# Altium PCB Yun75.PcbDoc (part 1 of 3)
Units mm, origin at the board's own origin, x right, y up, seen from the top; angles counter-clockwise.
Board outline 323.85 x 152.5 mm, 2 copper layers (Top Layer, Bottom Layer); 403 components, 242 nets, 1450 pads, 87 vias.
Unrouted connection lines stored in the file: 215.
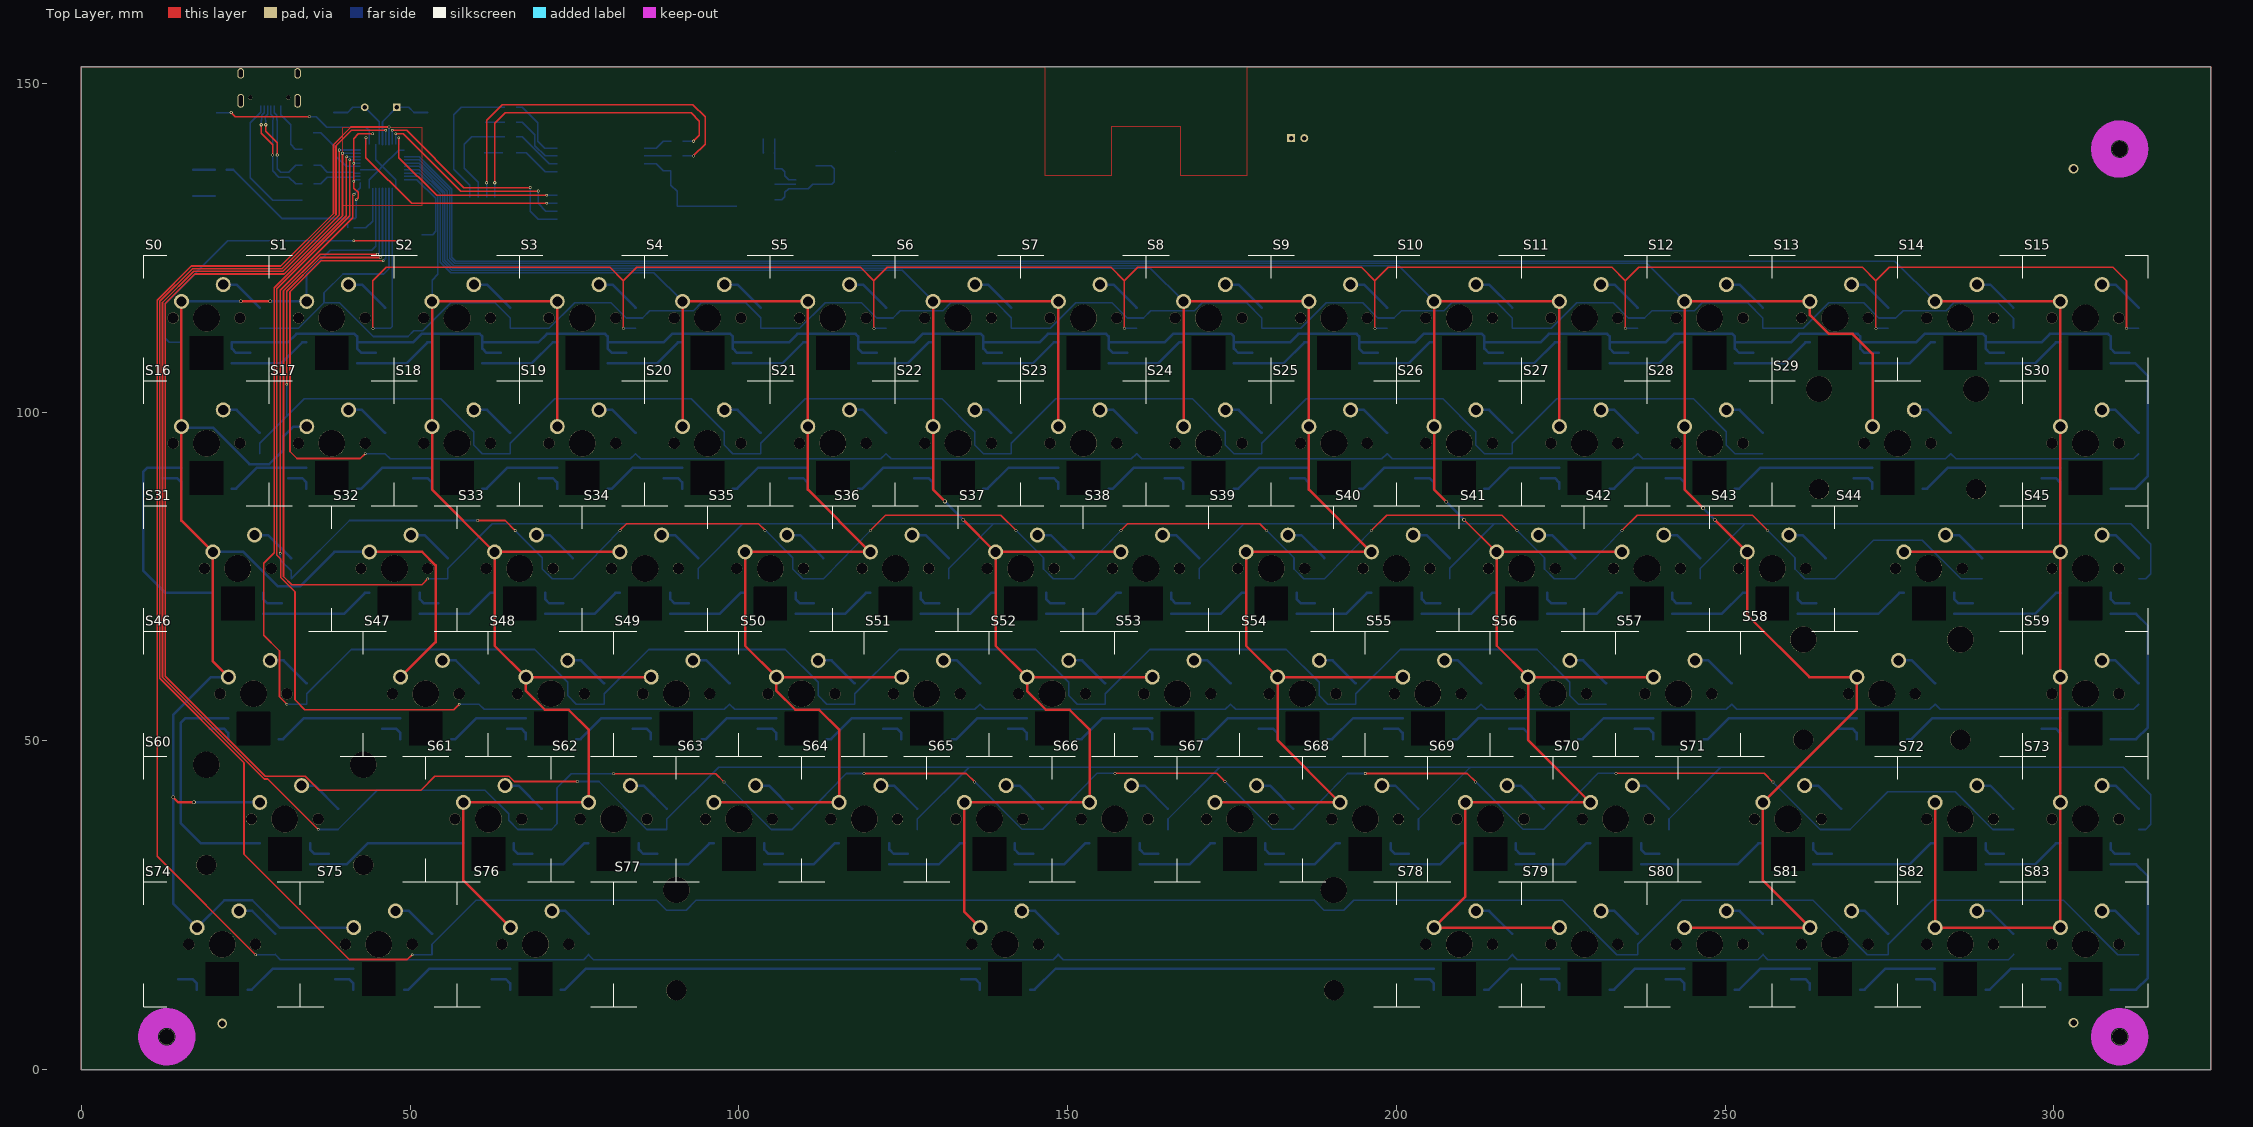
[diagram p0: Top Layer view]
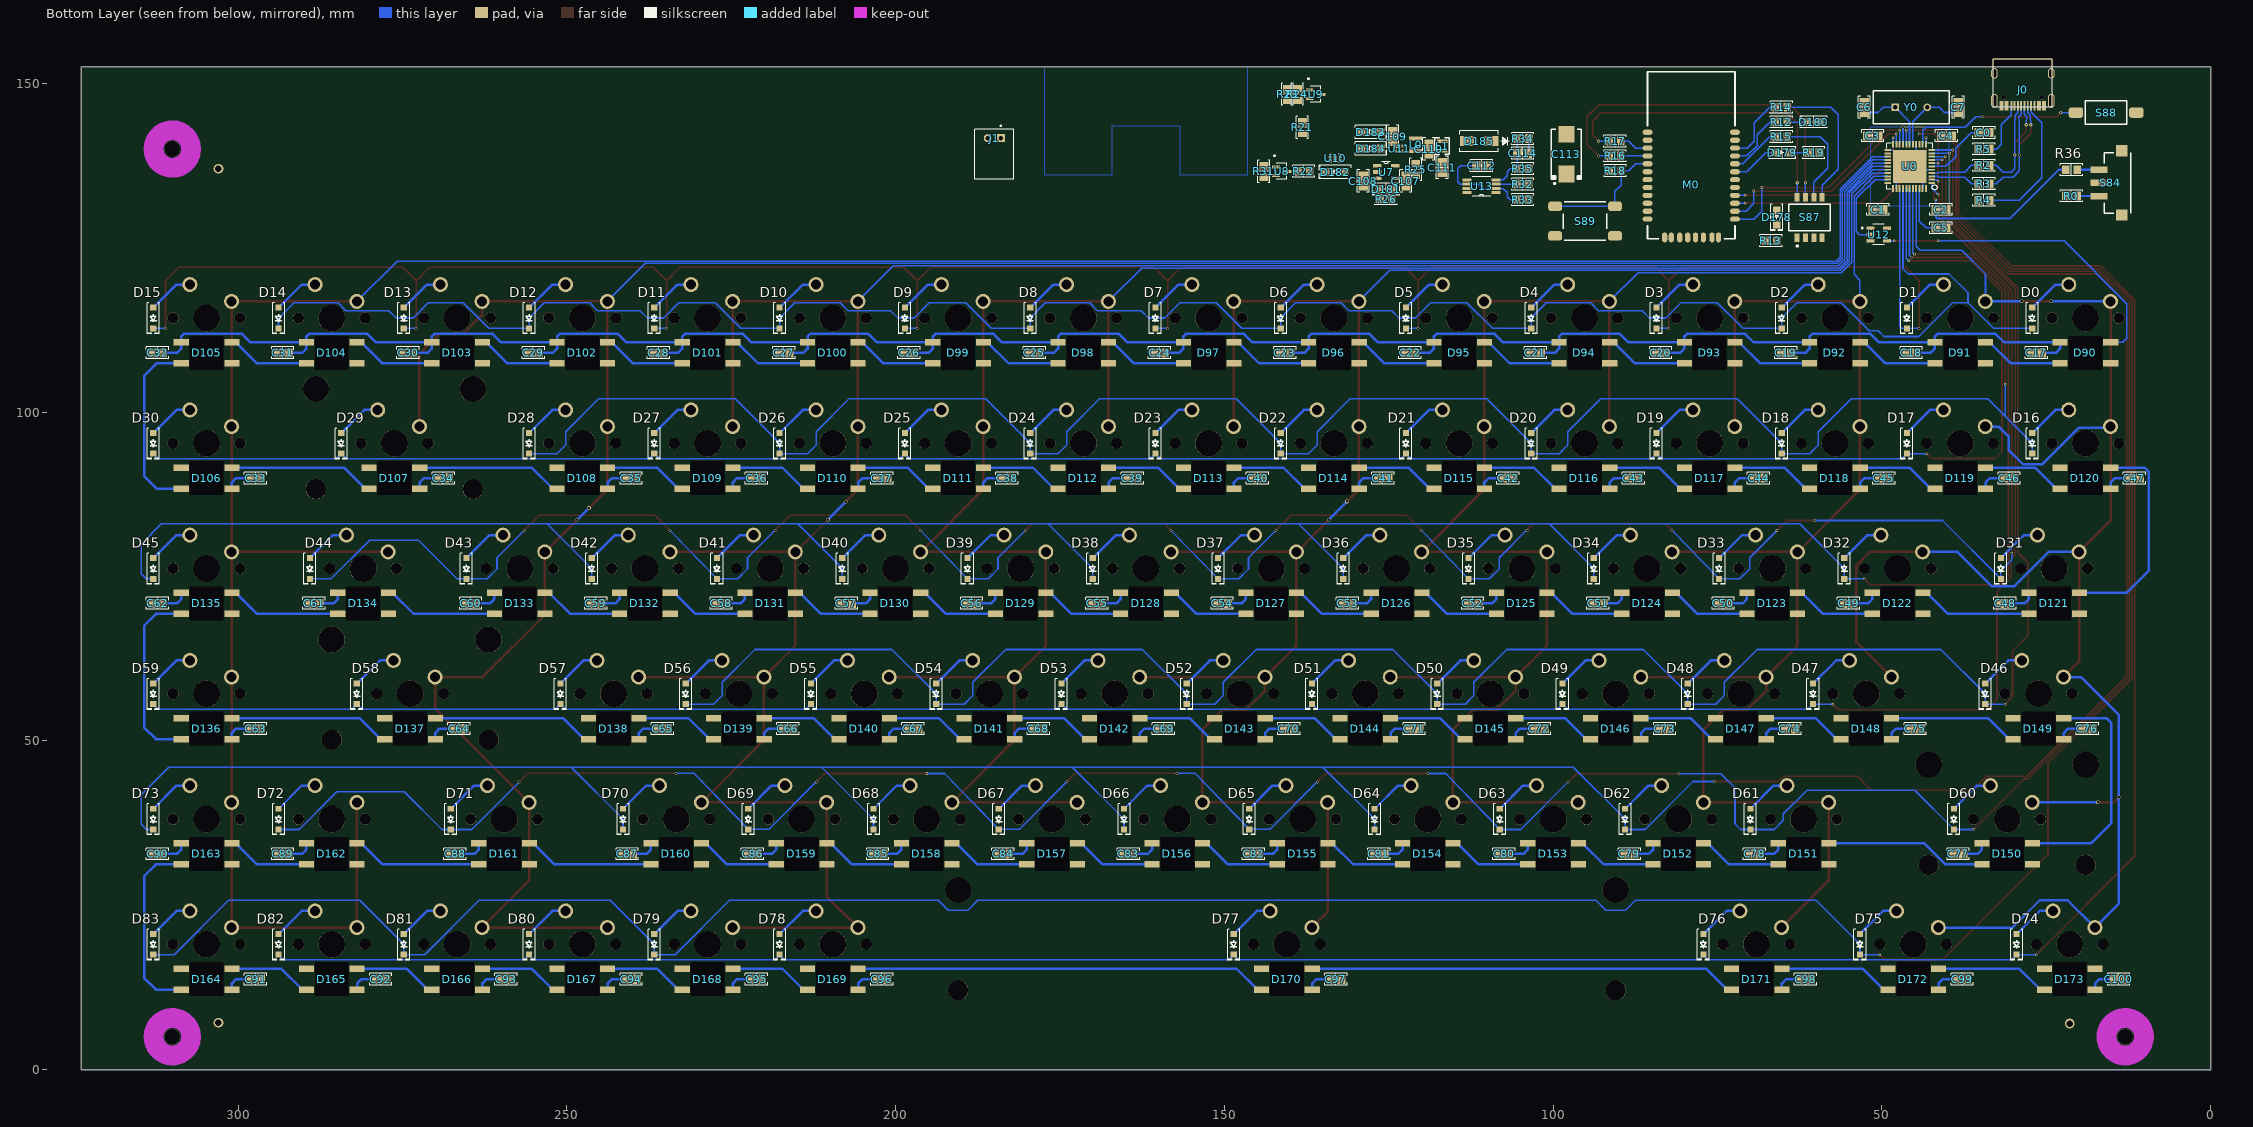
[diagram p1: Bottom Layer view, seen from below]
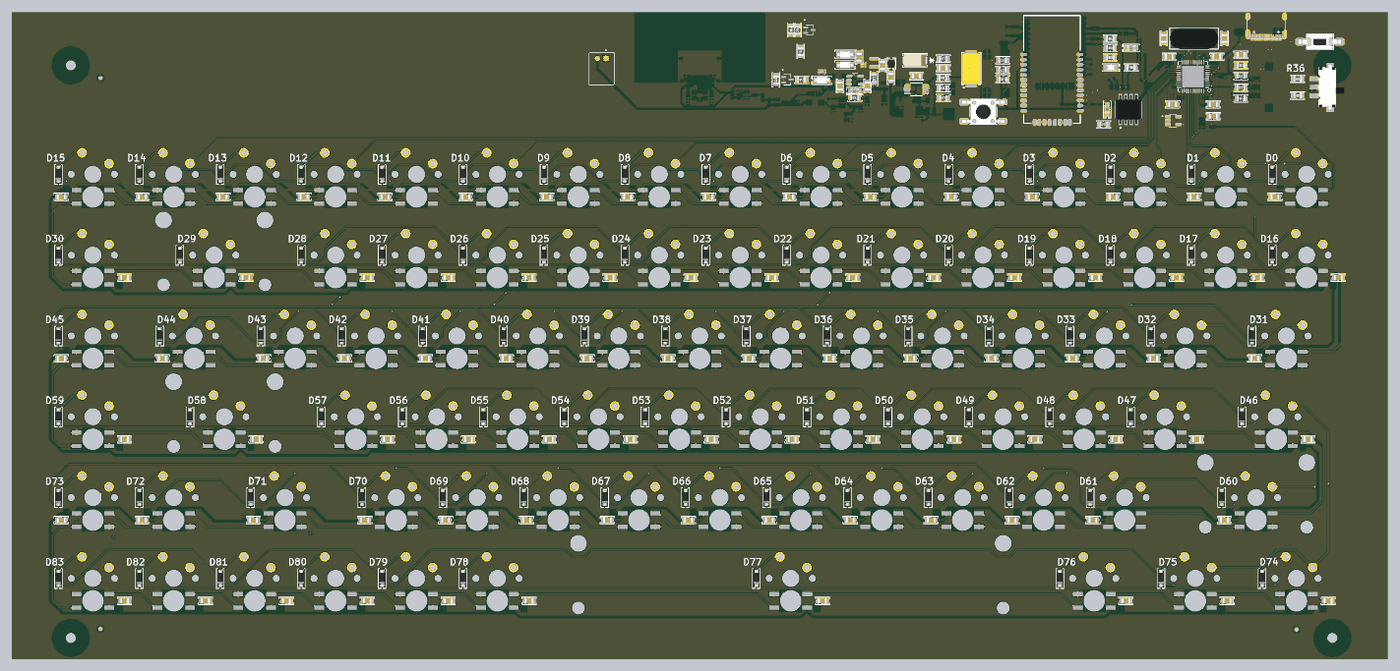
[diagram p4: 3D render of the assembled board from below, using the file's embedded part models]

## Layer stack, top to bottom
Top Solder: solder mask 0.0102, Solder Resist, Dk 3.5
Top Layer: signal copper 0.0356
Dielectric 1: dielectric 0.32, FR-4, Dk 4.8
Bottom Layer: signal copper 0.0356
Bottom Solder: solder mask 0.0102, Solder Resist, Dk 3.5

## Board outline
0,0 0,152.5 146.5,152.5 167.1,152.5 177.35,152.5 323.85,152.5 323.85,0

## Design rules (kind name [scope] priority, off if disabled: settings)
Clearance [All] p1: gap=0.15 ignorepadtopadclearanceinfootprint=FALSE except(0: Arc-Hole Track-Hole SMDPad-Hole THPad-Hole Via-Hole Fill-Hole Poly-Hole Region-Hole Text-Hole)
ComponentClearance [All] p1: gap=0.203 collisioncheckmode=3 verticalgap=0.203 showdistances=FALSE
DiffPairsRouting "Schematic Differential Pairs Routing_3" [InNet('MCUD_N')] p1: maxlimit=1 minlimit=0.297 mostfreqgap=0.508 toplayer_minwidth=0.152 toplayer_maxwidth=1 toplayer_prefwidth=0.203 bottomlayer_minwidth=0.152 bottomlayer_maxwidth=1 bottomlayer_prefwidth=0.203 maxuncoupledlength=12.7
DiffPairsRouting "Schematic Differential Pairs Routing_2" [InNet('MCUD_P')] p2: maxlimit=1 minlimit=0.297 mostfreqgap=0.508 toplayer_minwidth=0.152 toplayer_maxwidth=0.381 toplayer_prefwidth=0.203 bottomlayer_minwidth=0.152 bottomlayer_maxwidth=0.381 bottomlayer_prefwidth=0.203 maxuncoupledlength=12.7
DiffPairsRouting "Schematic Differential Pairs Routing_1" [InNet('D_P')] p3: maxlimit=1 minlimit=0.297 mostfreqgap=0.508 toplayer_minwidth=0.152 toplayer_maxwidth=0.381 toplayer_prefwidth=0.203 bottomlayer_minwidth=0.152 bottomlayer_maxwidth=0.381 bottomlayer_prefwidth=0.203 maxuncoupledlength=12.7
DiffPairsRouting "Schematic Differential Pairs Routing" [InNet('D_N')] p4: maxlimit=1 minlimit=0.297 mostfreqgap=0.508 toplayer_minwidth=0.152 toplayer_maxwidth=0.381 toplayer_prefwidth=0.203 bottomlayer_minwidth=0.152 bottomlayer_maxwidth=0.381 bottomlayer_prefwidth=0.203 maxuncoupledlength=12.7
DiffPairsRouting [All] p5: maxlimit=1.5 minlimit=0.5 mostfreqgap=0.508 toplayer_minwidth=0.15 toplayer_maxwidth=3 toplayer_prefwidth=0.203 bottomlayer_minwidth=0.15 bottomlayer_maxwidth=3 bottomlayer_prefwidth=0.203 maxuncoupledlength=12.7
HoleSize [All] p1: absolutevalues=TRUE maxlimit=10 minlimit=0.2 maxpercent=80.000 minpercent=20.000
MinimumSolderMaskSliver [All] p1: minsoldermaskwidth=0.051
PolygonConnect [All] p1: connectstyle=Relief reliefconductorwidth=0.254 reliefentries=4 polygonreliefangle="90 Angle" airgapwidth=0.254
RoomDefinition Matrix [False] p1: confinementstyle=ConfineIn formatcopy=TRUE lockcomponents=FALSE outline 9.25,124 314.75,124 314.75,9.25 9.25,9.25
RoutingVias [All] p1: holewidth=0.254 width=0.508 viastyle="Through Hole" minholewidth=0.2 minwidth=0.3 maxholewidth=10 maxwidth=13
SilkToSilkClearance [All] p1: silktosilkclearance=0
SilkToSolderMaskClearance [IsPad] p1: minsilkscreentomaskgap=0.051 clearancetoexposedcopper=TRUE
SolderMaskExpansion [All] p1: expansion=0.102 istentingtop=FALSE
Width Width_Matrix [WithinRoom('Matrix')] p1: maxlimit=3 minlimit=0.15 preferedwidth=0.381 minimp=50.000000 maximp=50.000000 favimp=50.000000
Width [All] p2: maxlimit=3 minlimit=0.15 preferedwidth=0.203 minimp=50.000000 maximp=50.000000 favimp=50.000000
24 further rules are at their usual default settings.

## Classes and differential pairs
net class Y0_Nets: NetC6_2 NetC7_2
net class U13_Nets: GND NetC112_2 NetC114_1 NetD185_2 NetR32_2 VDD
net class U12_Nets: GND NetD90_4 RGB VDD
net class U11_Nets: Boost_In GND NetC109_1 NetC109_2 NetL0_1
net class U10_Nets: GND NetD184_1 NetR22_2 VBAT
net class U9_Nets: GND NetR21_1 NetR23_1
net class U8_Nets: NetR21_2 NetR22_2 VBAT
net class U7_Nets: GND NetC108_2 NetR25_2 VUSB
net class U0_Nets: Col0 Col1 Col2 Col3 Col4 Col5 Col6 Col7 CTS GND MCUD_N MCUD_P NetC0_2 NetC5_2 NetC6_2 NetC7_2 NetS84_2 NetS88_2 RGB Row0 Row1 Row2 Row3 Row4 Row5 Row6 Row7 Row8 Row9 Row10 Row11 RTS RXD TXD VDD
net class S89_Nets: GND NetM0_5
net class S88_Nets: GND NetS88_2
net class S87_Nets: NetR14_2 NetR15_2 NetR16_2 NetR17_2 VDD
net class S84_Nets: NetR0_2 NetR36_2 NetS84_2
net class S83_Nets: Col7 NetD83_1
net class S82_Nets: Col7 NetD82_1
net class S81_Nets: Col6 NetD81_1
net class S80_Nets: Col6 NetD80_1
net class S79_Nets: Col5 NetD79_1
net class S78_Nets: Col5 NetD78_1
net class S77_Nets: Col3 NetD77_1
net class S76_Nets: Col1 NetD76_1
net class S75_Nets: Col0 NetD75_1
net class S74_Nets: Col0 NetD74_1
net class S73_Nets: Col7 NetD73_1
net class S72_Nets: Col7 NetD72_1
net class S71_Nets: Col6 NetD71_1
net class S70_Nets: Col5 NetD70_1
net class S69_Nets: Col5 NetD69_1
net class S68_Nets: Col4 NetD68_1
net class S67_Nets: Col4 NetD67_1
net class S66_Nets: Col3 NetD66_1
net class S65_Nets: Col3 NetD65_1
net class S64_Nets: Col2 NetD64_1
net class S63_Nets: Col2 NetD63_1
net class S62_Nets: Col1 NetD62_1
net class S61_Nets: Col1 NetD61_1
net class S60_Nets: Col0 NetD60_1
net class S59_Nets: Col7 NetD59_1
net class S58_Nets: Col6 NetD58_1
net class S57_Nets: Col5 NetD57_1
net class S56_Nets: Col5 NetD56_1
net class S55_Nets: Col4 NetD55_1
net class S54_Nets: Col4 NetD54_1
net class S53_Nets: Col3 NetD53_1
net class S52_Nets: Col3 NetD52_1
net class S51_Nets: Col2 NetD51_1
net class S50_Nets: Col2 NetD50_1
net class S49_Nets: Col1 NetD49_1
net class S48_Nets: Col1 NetD48_1
net class S47_Nets: Col0 NetD47_1
net class S46_Nets: Col0 NetD46_1
net class S45_Nets: Col7 NetD45_1
net class S44_Nets: Col7 NetD44_1
net class S43_Nets: Col6 NetD43_1
net class S42_Nets: Col5 NetD42_1
net class S41_Nets: Col5 NetD41_1
net class S40_Nets: Col4 NetD40_1
net class S39_Nets: Col4 NetD39_1
net class S38_Nets: Col3 NetD38_1
net class S37_Nets: Col3 NetD37_1
net class S36_Nets: Col2 NetD36_1
net class S35_Nets: Col2 NetD35_1
net class S34_Nets: Col1 NetD34_1
net class S33_Nets: Col1 NetD33_1
net class S32_Nets: Col0 NetD32_1
net class S31_Nets: Col0 NetD31_1
net class S30_Nets: Col7 NetD30_1
net class S29_Nets: Col6 NetD29_1
net class S28_Nets: Col6 NetD28_1
net class S27_Nets: Col5 NetD27_1
net class S26_Nets: Col5 NetD26_1
net class S25_Nets: Col4 NetD25_1
net class S24_Nets: Col4 NetD24_1
net class S23_Nets: Col3 NetD23_1
net class S22_Nets: Col3 NetD22_1
net class S21_Nets: Col2 NetD21_1
net class S20_Nets: Col2 NetD20_1
net class S19_Nets: Col1 NetD19_1
net class S18_Nets: Col1 NetD18_1
net class S16_Nets: Col0 NetD16_1
net class S17_Nets: Col0 NetD17_1
net class S15_Nets: Col7 NetD15_1
net class S14_Nets: Col7 NetD14_1
net class S13_Nets: Col6 NetD13_1
net class S12_Nets: Col6 NetD12_1
net class S11_Nets: Col5 NetD11_1
net class S10_Nets: Col5 NetD10_1
net class S9_Nets: Col4 NetD9_1
net class S8_Nets: Col4 NetD8_1
net class S7_Nets: Col3 NetD7_1
net class S6_Nets: Col3 NetD6_1
net class S5_Nets: Col2 NetD5_1
net class S4_Nets: Col2 NetD4_1
net class S3_Nets: Col1 NetD3_1
net class S2_Nets: Col1 NetD2_1
net class S1_Nets: Col0 NetD1_1
net class S0_Nets: Col0 NetD0_1
net class R36_Nets: NetR36_2 VDD
net class R35_Nets: GND NetC114_1
net class R34_Nets: NetC114_1 VDD
net class R33_Nets: NetC112_2 VDD
net class R32_Nets: NetC112_2 NetR32_2
net class R31_Nets: NetR21_2 VBAT
net class R26_Nets: GND NetD181_2
net class R25_Nets: GND NetR25_2
net class R24_Nets: GND NetR23_1
net class R23_Nets: NetR23_1 VUSB
net class R22_Nets: GND NetR22_2
net class R21_Nets: NetR21_1 NetR21_2
net class R19_Nets: GND NetD179_2
net class R18_Nets: NetM0_5 VDD
net class R17_Nets: NetR17_2 PIO6
net class R16_Nets: NetR16_2 PIO7
net class R15_Nets: NetR15_2 PIO3
net class R14_Nets: NetR14_2 PIO4
net class R13_Nets: NetD178_2 PIO8
net class R12_Nets: NetD180_2 PIO5
net class R5_Nets: GND NetJ0_9
net class R4_Nets: GND NetJ0_3
net class R3_Nets: D_N MCUD_N
net class R2_Nets: D_P MCUD_P
net class R0_Nets: GND NetR0_2
net class M0_Nets: CTS GND NetM0_2 NetM0_5 NetM0_6 NetM0_7 NetM0_8 NetM0_9 NetM0_10 NetM0_17 NetM0_18 NetM0_23 NetM0_24 NetM0_30 NetM0_32 NetM0_33 NetM0_34 NetM0_35 PIO2 PIO3 PIO4 PIO5 PIO6 PIO7 PIO8 RTS RXD TXD VDD
net class L1_Nets: Boost_In NetD185_2
net class L0_Nets: Boost_In NetL0_1
net class J1_Nets: GND VBAT
net class J0_Nets: D_N D_P GND NetJ0_3 NetJ0_9 NetJ0_A2 NetJ0_A3 NetJ0_A8 NetJ0_A10 NetJ0_A11 NetJ0_B2 NetJ0_B3 NetJ0_B8 NetJ0_B10 NetJ0_B11 VUSB
net class D185_Nets: NetD185_2 VDD
net class D184_Nets: NetC109_2 NetD184_1
net class D183_Nets: NetC109_2 VUSB
net class D182_Nets: NetC108_2 VBAT
net class D181_Nets: NetD181_2 VUSB
net class D180_Nets: NetD180_2 VDD
net class D179_Nets: NetD179_2 PIO2
net class D178_Nets: NetD178_2 VDD
net class D173_Nets: GND NetD172_2 VDD
net class D172_Nets: GND NetD171_2 NetD172_2 VDD
net class D171_Nets: GND NetD170_2 NetD171_2 VDD
net class D170_Nets: GND NetD169_2 NetD170_2 VDD
net class D169_Nets: GND NetD168_2 NetD169_2 VDD
net class D168_Nets: GND NetD167_2 NetD168_2 VDD
net class D167_Nets: GND NetD166_2 NetD167_2 VDD
net class D166_Nets: GND NetD165_2 NetD166_2 VDD
net class D165_Nets: GND NetD164_2 NetD165_2 VDD
net class D164_Nets: GND NetD163_2 NetD164_2 VDD
net class D163_Nets: GND NetD162_2 NetD163_2 VDD
net class D162_Nets: GND NetD161_2 NetD162_2 VDD
net class D161_Nets: GND NetD160_2 NetD161_2 VDD
net class D160_Nets: GND NetD159_2 NetD160_2 VDD
net class D159_Nets: GND NetD158_2 NetD159_2 VDD
net class D158_Nets: GND NetD157_2 NetD158_2 VDD
net class D157_Nets: GND NetD156_2 NetD157_2 VDD
net class D156_Nets: GND NetD155_2 NetD156_2 VDD
net class D155_Nets: GND NetD154_2 NetD155_2 VDD
net class D154_Nets: GND NetD153_2 NetD154_2 VDD
net class D153_Nets: GND NetD152_2 NetD153_2 VDD
net class D152_Nets: GND NetD151_2 NetD152_2 VDD
net class D151_Nets: GND NetD150_2 NetD151_2 VDD
net class D150_Nets: GND NetD149_2 NetD150_2 VDD
net class D149_Nets: GND NetD148_2 NetD149_2 VDD
net class D148_Nets: GND NetD147_2 NetD148_2 VDD
net class D147_Nets: GND NetD146_2 NetD147_2 VDD
net class D146_Nets: GND NetD145_2 NetD146_2 VDD
net class D145_Nets: GND NetD144_2 NetD145_2 VDD
net class D144_Nets: GND NetD143_2 NetD144_2 VDD
net class D143_Nets: GND NetD142_2 NetD143_2 VDD
net class D142_Nets: GND NetD141_2 NetD142_2 VDD
net class D141_Nets: GND NetD140_2 NetD141_2 VDD
net class D140_Nets: GND NetD139_2 NetD140_2 VDD
net class D139_Nets: GND NetD138_2 NetD139_2 VDD
net class D138_Nets: GND NetD137_2 NetD138_2 VDD
net class D137_Nets: GND NetD136_2 NetD137_2 VDD
net class D136_Nets: GND NetD135_2 NetD136_2 VDD
net class D135_Nets: GND NetD134_2 NetD135_2 VDD
net class D134_Nets: GND NetD133_2 NetD134_2 VDD
net class D133_Nets: GND NetD132_2 NetD133_2 VDD
net class D132_Nets: GND NetD131_2 NetD132_2 VDD
net class D131_Nets: GND NetD130_2 NetD131_2 VDD
net class D130_Nets: GND NetD129_2 NetD130_2 VDD
net class D129_Nets: GND NetD128_2 NetD129_2 VDD
net class D128_Nets: GND NetD127_2 NetD128_2 VDD
net class D127_Nets: GND NetD126_2 NetD127_2 VDD
net class D126_Nets: GND NetD125_2 NetD126_2 VDD
net class D125_Nets: GND NetD124_2 NetD125_2 VDD
net class D124_Nets: GND NetD123_2 NetD124_2 VDD
net class D123_Nets: GND NetD122_2 NetD123_2 VDD
net class D122_Nets: GND NetD121_2 NetD122_1 NetD122_2 VDD
net class D121_Nets: GND NetD120_2 NetD121_2 VDD
net class D120_Nets: GND NetD119_2 NetD120_2 VDD
net class D119_Nets: GND NetD118_2 NetD119_2 VDD
net class D118_Nets: GND NetD117_2 NetD118_2 VDD
net class D117_Nets: GND NetD116_2 NetD117_2 VDD
net class D116_Nets: GND NetD115_2 NetD116_2 VDD
net class D115_Nets: GND NetD114_2 NetD115_2 VDD
net class D114_Nets: GND NetD113_2 NetD114_2 VDD
net class D113_Nets: GND NetD112_2 NetD113_2 VDD
net class D112_Nets: GND NetD111_2 NetD112_2 VDD
net class D111_Nets: GND NetD110_2 NetD111_2 VDD
net class D110_Nets: GND NetD109_2 NetD110_2 VDD
net class D109_Nets: GND NetD108_2 NetD109_2 VDD
net class D108_Nets: GND NetD107_2 NetD108_2 VDD
net class D107_Nets: GND NetD106_2 NetD107_2 VDD
net class D106_Nets: GND NetD105_2 NetD106_2 VDD
net class D105_Nets: GND NetD104_2 NetD105_2 VDD
net class D104_Nets: GND NetD103_2 NetD104_2 VDD
net class D103_Nets: GND NetD102_2 NetD103_2 VDD
net class D102_Nets: GND NetD101_2 NetD102_2 VDD
net class D101_Nets: GND NetD100_2 NetD101_2 VDD
net class D100_Nets: GND NetD99_2 NetD100_2 VDD
net class D99_Nets: GND NetD98_2 NetD99_2 VDD
net class D98_Nets: GND NetD97_2 NetD98_2 VDD
net class D97_Nets: GND NetD96_2 NetD97_2 VDD
net class D96_Nets: GND NetD95_2 NetD96_2 VDD
net class D95_Nets: GND NetD94_2 NetD95_2 VDD
net class D94_Nets: GND NetD93_2 NetD94_2 VDD
net class D93_Nets: GND NetD92_2 NetD93_2 VDD
net class D92_Nets: GND NetD91_2 NetD92_2 VDD
net class D91_Nets: GND NetD90_2 NetD91_2 VDD
net class D90_Nets: GND NetD90_2 NetD90_4 VDD
net class D83_Nets: NetD83_1 Row11
net class D82_Nets: NetD82_1 Row10
net class D81_Nets: NetD81_1 Row11
net class D80_Nets: NetD80_1 Row10
net class D79_Nets: NetD79_1 Row11
net class D78_Nets: NetD78_1 Row10
net class D77_Nets: NetD77_1 Row10
net class D76_Nets: NetD76_1 Row10
net class D75_Nets: NetD75_1 Row11
net class D74_Nets: NetD74_1 Row10
net class D73_Nets: NetD73_1 Row9
net class D72_Nets: NetD72_1 Row8
net class D71_Nets: NetD71_1 Row8
net class D70_Nets: NetD70_1 Row9
net class D69_Nets: NetD69_1 Row8
net class D68_Nets: NetD68_1 Row9
net class D67_Nets: NetD67_1 Row8
net class D66_Nets: NetD66_1 Row9
net class D65_Nets: NetD65_1 Row8
net class D64_Nets: NetD64_1 Row9
net class D63_Nets: NetD63_1 Row8
net class D62_Nets: NetD62_1 Row9
net class D61_Nets: NetD61_1 Row8
net class D60_Nets: NetD60_1 Row8
net class D59_Nets: NetD59_1 Row7
net class D58_Nets: NetD58_1 Row7
net class D57_Nets: NetD57_1 Row7
net class D56_Nets: NetD56_1 Row6
net class D55_Nets: NetD55_1 Row7
net class D54_Nets: NetD54_1 Row6
net class D53_Nets: NetD53_1 Row7
net class D52_Nets: NetD52_1 Row6
net class D51_Nets: NetD51_1 Row7
net class D50_Nets: NetD50_1 Row6
net class D49_Nets: NetD49_1 Row7
net class D48_Nets: NetD48_1 Row6
net class D47_Nets: NetD47_1 Row7
net class D46_Nets: NetD46_1 Row6
net class D45_Nets: NetD45_1 Row5
net class D44_Nets: NetD44_1 Row4
net class D43_Nets: NetD43_1 Row4
net class D42_Nets: NetD42_1 Row5
net class D41_Nets: NetD41_1 Row4
net class D40_Nets: NetD40_1 Row5
net class D39_Nets: NetD39_1 Row4
net class D38_Nets: NetD38_1 Row5
net class D37_Nets: NetD37_1 Row4
net class D36_Nets: NetD36_1 Row5
net class D35_Nets: NetD35_1 Row4
net class D34_Nets: NetD34_1 Row5
net class D33_Nets: NetD33_1 Row4
net class D32_Nets: NetD32_1 Row5
net class D31_Nets: NetD31_1 Row4
net class D30_Nets: NetD30_1 Row3
net class D29_Nets: NetD29_1 Row3
net class D28_Nets: NetD28_1 Row2
net class D27_Nets: NetD27_1 Row3
net class D26_Nets: NetD26_1 Row2
net class D25_Nets: NetD25_1 Row3
net class D24_Nets: NetD24_1 Row2
net class D23_Nets: NetD23_1 Row3
net class D22_Nets: NetD22_1 Row2
net class D21_Nets: NetD21_1 Row3
net class D20_Nets: NetD20_1 Row2
net class D19_Nets: NetD19_1 Row3
net class D18_Nets: NetD18_1 Row2
net class D17_Nets: NetD17_1 Row3
net class D16_Nets: NetD16_1 Row2
net class D15_Nets: NetD15_1 Row1
net class D14_Nets: NetD14_1 Row0
net class D13_Nets: NetD13_1 Row1
net class D12_Nets: NetD12_1 Row0
net class D11_Nets: NetD11_1 Row1
net class D10_Nets: NetD10_1 Row0
net class D9_Nets: NetD9_1 Row1
net class D8_Nets: NetD8_1 Row0
net class D7_Nets: NetD7_1 Row1
net class D6_Nets: NetD6_1 Row0
net class D5_Nets: NetD5_1 Row1
net class D4_Nets: NetD4_1 Row0
net class D3_Nets: NetD3_1 Row1
net class D2_Nets: NetD2_1 Row0
net class D1_Nets: NetD1_1 Row1
net class D0_Nets: NetD0_1 Row0
net class C114_Nets: NetC114_1 VDD
net class C113_Nets: GND NetC112_2
net class C112_Nets: GND NetC112_2
net class C111_Nets: Boost_In GND
net class C110_Nets: Boost_In GND
net class C109_Nets: NetC109_1 NetC109_2
net class C108_Nets: GND NetC108_2
net class C107_Nets: GND VUSB
net class C100_Nets: GND VDD
net class C99_Nets: GND VDD
net class C98_Nets: GND VDD
net class C97_Nets: GND VDD
net class C96_Nets: GND VDD
net class C95_Nets: GND VDD
net class C94_Nets: GND VDD
net class C93_Nets: GND VDD
net class C92_Nets: GND VDD
net class C91_Nets: GND VDD
net class C90_Nets: GND VDD
net class C89_Nets: GND VDD
net class C88_Nets: GND VDD
net class C87_Nets: GND VDD
net class C86_Nets: GND VDD
net class C85_Nets: GND VDD
net class C84_Nets: GND VDD
net class C83_Nets: GND VDD
net class C82_Nets: GND VDD
net class C81_Nets: GND VDD
net class C80_Nets: GND VDD
net class C79_Nets: GND VDD
net class C78_Nets: GND VDD
net class C77_Nets: GND VDD
net class C76_Nets: GND VDD
net class C75_Nets: GND VDD
net class C74_Nets: GND VDD
net class C73_Nets: GND VDD
net class C72_Nets: GND VDD
net class C71_Nets: GND VDD
net class C70_Nets: GND VDD
net class C69_Nets: GND VDD
net class C68_Nets: GND VDD
net class C67_Nets: GND VDD
net class C66_Nets: GND VDD
net class C65_Nets: GND VDD
net class C64_Nets: GND VDD
net class C63_Nets: GND VDD
net class C62_Nets: GND VDD
net class C61_Nets: GND VDD
net class C60_Nets: GND VDD
net class C59_Nets: GND VDD
net class C58_Nets: GND VDD
net class C57_Nets: GND VDD
net class C56_Nets: GND VDD
net class C55_Nets: GND VDD
net class C54_Nets: GND VDD
net class C53_Nets: GND VDD
net class C52_Nets: GND VDD
net class C51_Nets: GND VDD
net class C50_Nets: GND VDD
net class C49_Nets: GND VDD
net class C48_Nets: GND VDD
net class C47_Nets: GND VDD
net class C46_Nets: GND VDD
net class C45_Nets: GND VDD
net class C44_Nets: GND VDD
net class C43_Nets: GND VDD
net class C42_Nets: GND VDD
net class C41_Nets: GND VDD
net class C40_Nets: GND VDD
net class C39_Nets: GND VDD
net class C38_Nets: GND VDD
net class C37_Nets: GND VDD
net class C36_Nets: GND VDD
net class C35_Nets: GND VDD
net class C34_Nets: GND VDD
net class C33_Nets: GND VDD
net class C32_Nets: GND VDD
net class C31_Nets: GND VDD
net class C30_Nets: GND VDD
net class C29_Nets: GND VDD
net class C28_Nets: GND VDD
net class C27_Nets: GND VDD
net class C26_Nets: GND VDD
net class C25_Nets: GND VDD
net class C24_Nets: GND VDD
net class C23_Nets: GND VDD
net class C22_Nets: GND VDD
net class C21_Nets: GND VDD